# Altium PCB Pmod_Usb_Rcb_M2.PcbDoc
Units mm, origin at the board's own origin, x right, y up, seen from the top; angles counter-clockwise.
Board outline 70 x 31.75 mm, 2 copper layers (Top Layer, Bottom Layer), stack 1.529 mm thick; 35 components, 23 nets, 224 pads, 61 vias.
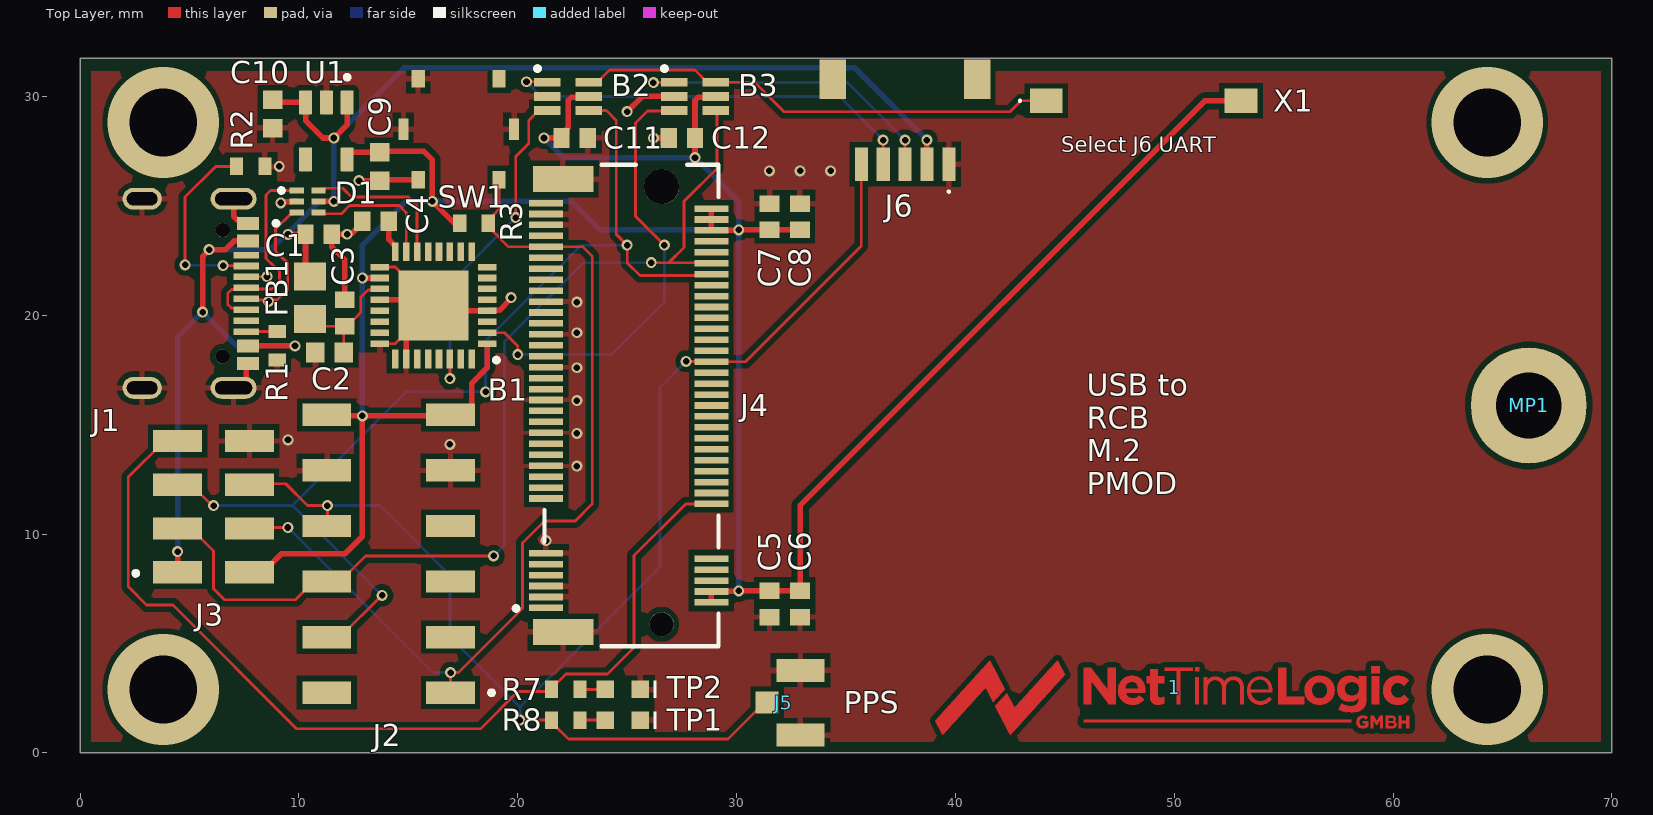
[diagram p0: Top Layer view]
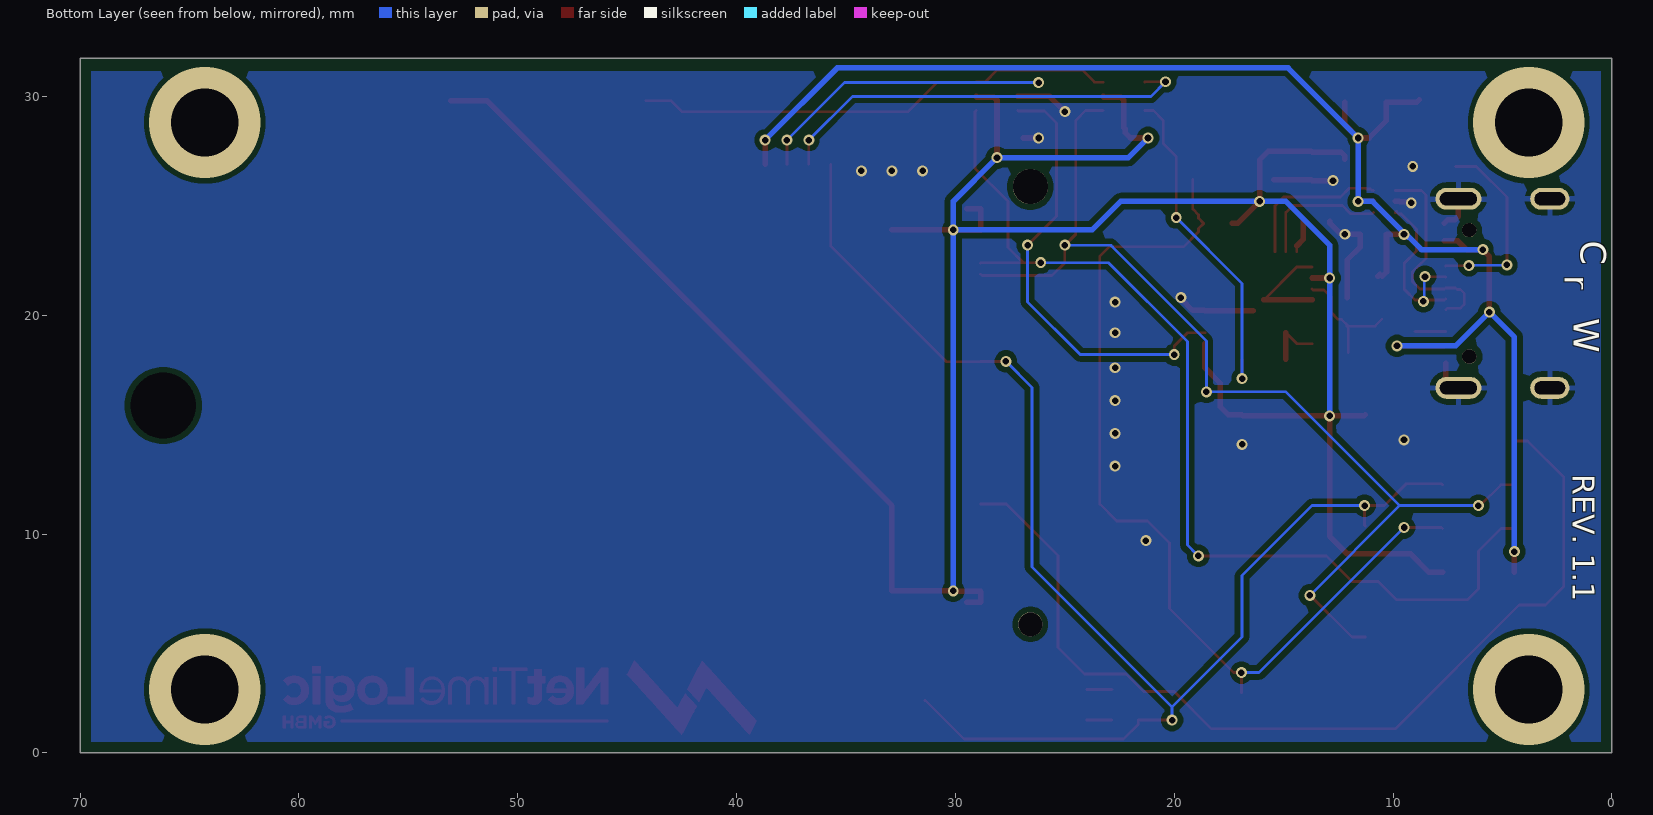
[diagram p1: Bottom Layer view, seen from below]
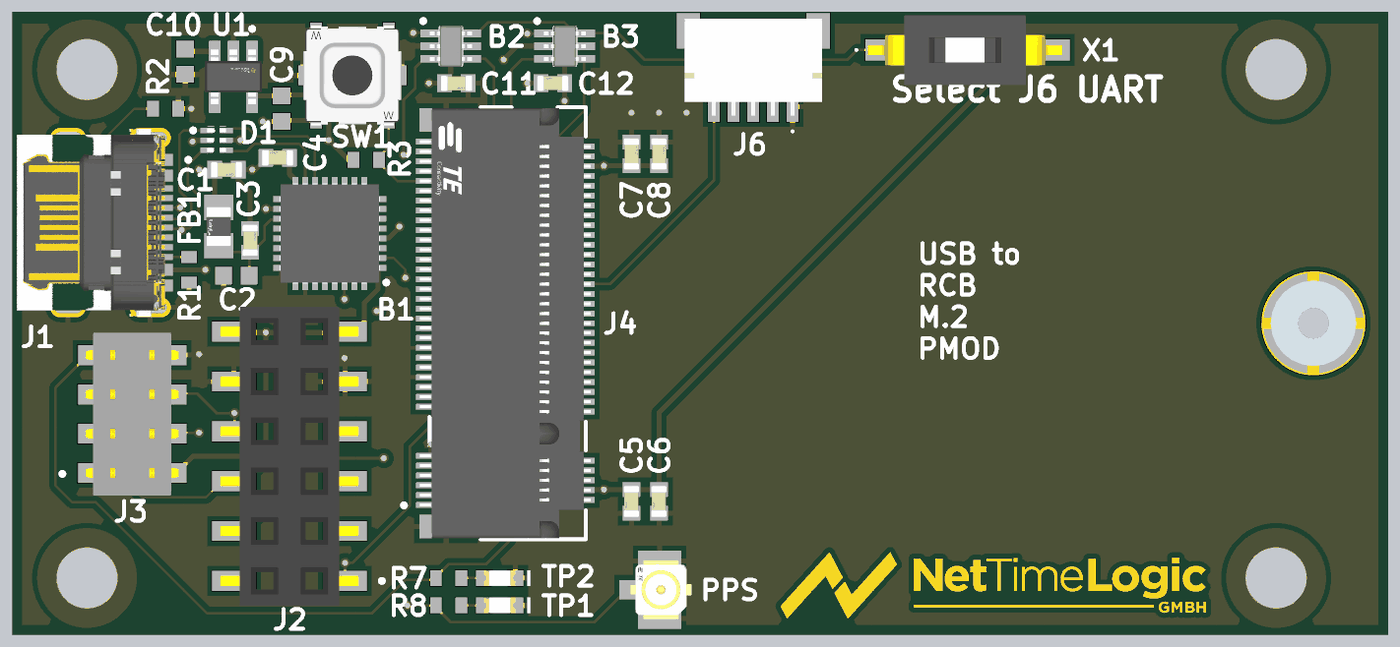
[diagram p2: 3D render of the assembled board from above, using the file's embedded part models]

## Layer stack, top to bottom
Top Solder: solder mask 0.0254, matt black, Dk 4
Top Layer: signal copper 0.035
Dielectric: core 1.4592, FR-4, Dk 4.2
Bottom Layer: signal copper 0.035
Bottom Solder: solder mask 0.0254, matt black, Dk 4

## Board outline
0,0 70,0 70,31.748 33.587,31.75 0,31.748

## Design rules (kind name [scope] priority, off if disabled: settings)
Clearance [All] p1: gap=0.254 ignorepadtopadclearanceinfootprint=FALSE except(0.127: SMDPad-SMDPad; 0.2: Arc-SMDPad Track-SMDPad; 0.333: Arc-THPad Track-THPad)
HoleSize [All] p1: absolutevalues=TRUE maxlimit=6.3 minlimit=0.2 maxpercent=80.000 minpercent=20.000
MinimumSolderMaskSliver [All] p1: minsoldermaskwidth=0.17
PlaneConnect [All] p1: planeconnectstyle=Relief reliefexpansion=0.254 reliefentries=4 reliefconductorwidth=0.127 reliefairgap=0.127
PolygonConnect [InNet('GND')] p1: thpad.connectstyle=Relief thpad.reliefconductorwidth=0.254 thpad.reliefentries=4 thpad.polygonreliefangle="90 Angle" thpad.airgapwidth=0.254 smdpad.connectstyle=Relief smdpad.reliefconductorwidth=0.254 smdpad.reliefentries=4 smdpad.polygonreliefangle="90 Angle" smdpad.airgapwidth=0.254 via.connectstyle=Direct via.reliefconductorwidth=0.254 via.reliefentries=4 via.polygonreliefangle="90 Angle" via.airgapwidth=0.254
RoomDefinition Power_and_USB [InComponentClass('Power_and_USB')] p1: confinementstyle=ConfineIn formatcopy=TRUE lockcomponents=FALSE outline 0,0 70,0 70,31.75 0,31.75
RoutingVias [All] p1: holewidth=0.3 width=0.5 viastyle="Through Hole" minholewidth=0.3 minwidth=0 maxholewidth=0.711 maxwidth=1.27
SilkToSilkClearance [All] p1: silktosilkclearance=0.15
SilkToSolderMaskClearance [IsPad] p1: minsilkscreentomaskgap=0.15 clearancetoexposedcopper=TRUE
SolderMaskExpansion SolderMaskExpansion_Via [IsVia] p1: expansion=0.102 istentingtop=TRUE
SolderMaskExpansion [All] p2: expansion=0.05 istentingtop=FALSE
SupplyNets "Schematic Supply Nets_2" [InNet('GND')] p1: voltage=0.000
SupplyNets "Schematic Supply Nets_1" [InNet('3V3')] p2: voltage=0.000
SupplyNets "Schematic Supply Nets" [InNet('5V')] p3: voltage=0.000
Width Power_3V3 [InNet('3V3')] p1: maxlimit=1 minlimit=0.127 preferedwidth=0.254 minimp=50.000000 maximp=50.000000 favimp=50.000000
Width Power_5V [InNet('5V')] p2: maxlimit=1 minlimit=0.127 preferedwidth=0.254 minimp=50.000000 maximp=50.000000 favimp=50.000000
Width GND [InNet('GND')] p3: maxlimit=1 minlimit=0.127 preferedwidth=0.254 minimp=50.000000 maximp=50.000000 favimp=50.000000
Width [All] p4: maxlimit=1 minlimit=0.127 preferedwidth=0.127
25 further rules are at their usual default settings.

## Classes and differential pairs
component class Connectors: C5 C6 C7 C8 J2 J3 J4 J6 X1
component class Mechanical: MP1 Screw1 Screw2 Screw3 Screw4 Screw5 Screw6 Screw7 Screw8 Screw9 Standoff1 Standoff2 Standoff3 Standoff4
component class Power_and_USB: 1 B1 B2 B3 C1 C2 C3 C4 C9 C10 C11 C12 D1 FB1 J1 J5 R1 R2 R3 R7 R8 S1 SW1 TP1 TP2 U1

## Components (designator, comment, footprint, x,y, rotation, side; value= is the part's Value field where it differs from the comment)
1 "NetTimeLogic_Logo" NetTimeLogic_Logo_25mm 50,3 r0 top
B1 "FT232RNQ-REEL" QFN50P500X500X90-33N-D 16.15,20.45 r180 top
B2 "74LVC1G3157GW-Q10H" SOT65P210X110-6N 22.3,30 r0 top
B3 "74LVC1G3157GW-Q10H" SOT65P210X110-6N 28.1,30 r0 top
C1 "C0603C103K5RACTU" FP-C0603C-CF-MFG 10.9,23.7 r180 top value=10nF
C2 "C0603C475M9PACTU" CAPC1608X90X35LL15T15 11.4,18.3 r0 top value=4.7uF
C3 "C0603C104K4RACTU" FP-C0603C-CF-MFG 12.1,20.1 r270 top value=100nF
C4 "C0603C104K4RACTU" FP-C0603C-CF-MFG 13.5,24.3 r0 top value=100nF
C5 "C0603C104K4RACTU" FP-C0603C-CF-MFG 31.5,6.8 r90 top value=100nF
C6 "C0603C104K4RACTU" FP-C0603C-CF-MFG 32.9,6.8 r90 top value=100nF
C7 "C0603C104K4RACTU" FP-C0603C-CF-MFG 31.5,24.5 r270 top value=100nF
C8 "C0603C104K4RACTU" FP-C0603C-CF-MFG 32.9,24.5 r270 top value=100nF
C9 "C0603C105K4RACTU" CAPC1608X90X35LL15T15 13.7,26.8 r90 top value=1uF
C10 "C0603C105K4RACTU" CAPC1608X90X35LL15T15 8.8,29.2 r90 top value=1uF
C11 "C0603C104K4RACTU" FP-C0603C-CF-MFG 22.6,28.1 r180 top value=100nF
C12 "C0603C104K4RACTU" FP-C0603C-CF-MFG 27.5,28.1 r0 top value=100nF
D1 "PRTR5V0U2F,115" FP-SOT886-MFG 10.4,25.2 r0 top
FB1 "MI0805K400R-10" FP-MI0805-MFG 10.5,20.8 r270 top
J1 "USB4105-GF-A" FP-USB4105-GF-A-MFG 4,21 r270 top
J2 "SSM-106-L-DV" SAMTEC_SSM-106-L-DV 14.1,9.1 r270 top
J3 "SQW-104-01-F-D-VS" SAMTEC-SQW-104-01-X-D-VS 6.1,11.25 r90 top
J4 "2199119-3" FP-2199119-3-MFG 25.2,15.875 r90 top
J5 "1909763-1" FP-1909763-1-MFG 33,2.3 r270 top
J6 "SM05B-SRSS-TB" SM05BSRSSTBLFSN 37.7,28.9 r180 top
MP1 "9774010243R" 9774010243 66.2,15.875 r0 top
R1 "RC0603FR-075K1L" RESC1608X55X25LL10T15 9,18.6 r90 top value=5.1kR
R2 "RC0603FR-075K1L" RESC1608X55X25LL10T15 7.8,26.8 r180 top value=5.1kR
R3 "RC0603FR-074K7L" RESC1608X55X25LL10T15 18,24.2 r0 top value=4.7kR
R7 "RC0603FR-07270RL" RESC1608X55X25LL10T15 22.2,2.9 r0 top value=270R
R8 "RC0603FR-07270RL" RESC1608X55X25LL10T15 22.2,1.5 r0 top value=270R
SW1 "431183015816" WS-TASV_L5W5H1.5_4311x30158x6 17.3,28.5 r90 top
TP1 "150060VS75003" WL-SMCW_0603_150060xx75003 24.8,1.5 r0 top
TP2 "150060VS75003" WL-SMCW_0603_150060xx75003 24.8,2.9 r0 top
U1 "TLV73333PQDBVRQ1" FP-DBV0005A-MFG 11.253,28.425 r270 top
X1 "DS04-254-2-01BK-SMT" DS04254201BKSMTTR 48.6,29.8 r270 top

## Footprints (in the part's own frame and the unit in brackets; to place one, negate y for a bottom-side part, rotate by r counter-clockwise, add the part's x,y. Pads: shape width x height; smd on the part's side, far side on the other; paste and mask are expansions set on the pad)
9774010243 [mm] "SMT Steel Spacer with internal Thread M2, height 1mm"
  round 5.3 / inner round 0 / far side round 0 hole 3 unplated: 1(0,0)
  body extent -2.17,-2.17 2.18,2.17, height 1
CAPC1608X90X35LL15T15 [mm] "Chip Capacitor, 2-Leads, Body 1.60x0.81mm, IPC High Density"
  rect 0.85x0.9 smd: 1(-0.65,0) 2(0.65,0)
  body extent -0.88,-0.48 0.87,0.48, height 0.9
DS04254201BKSMTTR [mm]
  rect 1.1x1.5 smd: 1(0,-4.45) 2(0,4.45)
  silkscreen extent -0.05,-5.7 0.05,-5.6, body extent -1.76,-5.07 1.78,4.83, height 3.98
FP-1909763-1-MFG [mm]
  rect 1x1.05 smd paste+0 mask+0: 1(0,-1.6)
  rect 1.05x2.2 smd paste+0 mask+0: 2(-1.475,-0.075) 3(1.475,-0.075)
  body extent -2.1,-2.22 2.1,1.6, height 0.25
FP-2199119-3-MFG [mm]
  rect 0.3x1.55 smd paste+0 mask+0: 1(-9.25,3.9) 2(-9,-3.65) 3(-8.75,3.9) 4(-8.5,-3.65) 5(-8.25,3.9) 6(-8,-3.65) 7(-7.75,3.9) 8(-7.5,-3.65) 9(-7.25,3.9) 10(-7,-3.65) 11(-6.75,3.9) 20(-4.5,-3.65) 21(-4.25,3.9) 22(-4,-3.65) 23(-3.75,3.9) 24(-3.5,-3.65) 25(-3.25,3.9) 26(-3,-3.65) 27(-2.75,3.9) 28(-2.5,-3.65) 29(-2.25,3.9) 30(-2,-3.65) 31(-1.75,3.9) 32(-1.5,-3.65) 33(-1.25,3.9) 34(-1,-3.65) 35(-0.75,3.9) 36(-0.5,-3.65) 37(-0.25,3.9) 38(0,-3.65) 39(0.25,3.9) 40(0.5,-3.65) 41(0.75,3.9) 42(1,-3.65) 43(1.25,3.9) 44(1.5,-3.65) 45(1.75,3.9) 46(2,-3.65) 47(2.25,3.9) 48(2.5,-3.65) 49(2.75,3.9) 50(3,-3.65) 51(3.25,3.9) 52(3.5,-3.65) 53(3.75,3.9) 54(4,-3.65) 55(4.25,3.9) 56(4.5,-3.65) 57(4.75,3.9) 58(5,-3.65) 59(5.25,3.9) 60(5.5,-3.65) 61(5.75,3.9) 62(6,-3.65) 63(6.25,3.9) 64(6.5,-3.65) 65(6.75,3.9) 66(7,-3.65) 67(7.25,3.9) 68(7.5,-3.65) 69(7.75,3.9) 70(8,-3.65) 71(8.25,3.9) 72(8.5,-3.65) 73(8.75,3.9) 74(9,-3.65) 75(9.25,3.9)
  rect 1.2x2.75 smd paste+0 mask+0: 76(-10.35,3.125) 77(10.35,3.125)
  round 1.6 hole 1.6 unplated paste-2539.97 mask+0: MH1(10,-1.375)
  round 1.1 hole 1.1 unplated paste-2539.97 mask+0: MH2(-10,-1.375)
  silkscreen extent -11,-3.98 11,5.37, body extent -11.1,-4.52 11.1,4.77, height 0.25
FP-C0603C-CF-MFG [mm]
  rect 0.75x0.9 smd paste+0 mask+0: 1(-0.6,0) 2(0.6,0)
  body extent -1.2,-0.6 1.2,0.6, height 0.25
FP-DBV0005A-MFG [mm]
  rrect17% 1.1x0.6 smd paste+0 mask+0: 1(-1.3,0.95) 2(-1.3,0) 3(-1.3,-0.95) 4(1.3,-0.95) 5(1.3,0.95)
  silkscreen extent -2.55,0.85 -2.35,1.05, body extent -1.95,-1.78 1.95,1.78, height 0.25
FP-MI0805-MFG [mm]
  rect 1.285x1.47 smd paste+0 mask+0: 1(-0.972,0) 2(0.972,0)
  body extent -1.72,-0.83 1.72,0.83, height 0.25
FP-SOT886-MFG [mm]
  rect 0.65x0.27 smd paste+0 mask+0: 1(-0.5,0.5) 2(-0.5,0) 3(-0.5,-0.5) 4(0.5,-0.5) 5(0.5,0) 6(0.5,0.5)
  silkscreen extent -1.3,0.4 -1.1,0.6, body extent -0.63,-0.85 0.63,0.85, height 0.25
FP-USB4105-GF-A-MFG [mm]
  rrect100% 1x2.1 hole 1.7 slot 0.6 at 0 deg paste-2539.97 mask+0: 1(-4.32,3.015) 2(4.32,3.015)
  rrect100% 1x1.8 hole 1.4 slot 0.6 at 0 deg paste-2539.97 mask+0: 3(-4.32,-1.165) 4(4.32,-1.165)
  rect 0.6x1 smd paste+0 mask+0: A1-B12(-3.2,3.665) A4-B9(-2.4,3.665) B1-A12(3.2,3.665) B4-A9(2.4,3.665)
  rect 0.3x1.15 smd paste+0 mask+0: A5(-1.25,3.59) A6(-0.25,3.59) A7(0.25,3.59) A8(1.25,3.59) B5(1.75,3.59) B6(0.75,3.59) B7(-0.75,3.59) B8(-1.75,3.59)
  round 0.65 hole 0.65 unplated paste-2539.97 mask+0: MH1(-2.89,2.515) MH2(2.89,2.515)
  silkscreen extent -3.3,4.85 -3.1,5.05, body extent -4.96,-3.94 4.96,4.27, height 0.25
NetTimeLogic_Logo_25mm [mm]
  Top Layer region: 0.984,0.914 1.132,0.914 1.132,0.719 0.953,0.719 0.953,0.914 0.977,0.914
  Top Layer region: 10.259,-1.708 10.259,-1.304 10.384,-1.304 10.384,-1.529 10.609,-1.529 10.609,-1.304 10.734,-1.304 10.734,-1.872 10.609,-1.872 10.609,-1.638 10.384,-1.638 10.384,-1.872 10.259,-1.872 10.259,-1.716
  Top Layer region: 1,-0.767 0.969,-0.767 0.969,0.455 1.124,0.455 1.124,-0.767 1.008,-0.767
  Top Layer region: 471 vertices and 1 holes, not listed, extent 3.334,-0.798 4.478,0.478
  Top Layer region: -0.541,-0.463 -0.517,-0.463 -0.517,-0.456 -0.494,-0.456 -0.494,-0.448 -0.479,-0.448 -0.479,-0.44 -0.463,-0.44 -0.463,-0.432 -0.447,-0.432 -0.447,-0.712 -0.455,-0.712 -0.455,-0.72 -0.463,-0.72 -0.463,-0.728 -0.479,-0.728 -0.479,-0.736 -0.494,-0.736 -0.494,-0.744 -0.51,-0.744 -0.51,-0.751 -0.533,-0.751 -0.533,-0.759 -0.556,-0.759 -0.556,-0.767 -0.58,-0.767 -0.58,-0.775 -0.611,-0.775 -0.611,-0.782 -0.65,-0.782 -0.65,-0.79 -0.813,-0.79 -0.813,-0.782 -0.852,-0.782 -0.852,-0.775 -0.891,-0.775 -0.891,-0.767 -0.914,-0.767 -0.914,-0.759 -0.93,-0.759 -0.93,-0.751 -0.945,-0.751 -0.945,-0.744 -0.961,-0.744 -0.961,-0.736 -0.969,-0.736 -0.969,-0.728 -0.984,-0.728 -0.984,-0.72 -0.992,-0.72 -0.992,-0.712 -1,-0.712 -1,-0.705 -1.008,-0.705 -1.008,-0.697 -1.015,-0.697 -1.015,-0.689 -1.023,-0.689 -1.023,-0.681 -1.031,-0.681 -1.031,-0.666 -1.039,-0.666 -1.039,-0.658 -1.047,-0.658 -1.047,-0.642 -1.054,-0.642 -1.054,-0.627 -1.062,-0.627 -1.062,-0.611 -1.07,-0.611 -1.07,-0.596 -1.078,-0.596 -1.078,-0.572 -1.085,-0.572 -1.085,-0.541 -1.093,-0.541 -1.093,-0.487 -1.101,-0.487 -1.101,0.19 -1.257,0.19 -1.257,0.494 -1.101,0.494 -1.101,0.82 -0.743,0.82 -0.743,0.494 -0.447,0.494 -0.447,0.19 -0.743,0.19 -0.743,-0.393 -0.735,-0.393 -0.735,-0.417 -0.728,-0.417 -0.728,-0.432 -0.72,-0.432 -0.72,-0.448 -0.704,-0.448 -0.704,-0.456 -0.696,-0.456 -0.696,-0.463 -0.681,-0.463 -0.681,-0.471 -0.642,-0.471 -0.642,-0.479 -0.611,-0.479 -0.611,-0.471 -0.549,-0.471 -0.549,-0.463
  Top Layer region: 461 vertices and 1 holes, not listed, extent -2.564,-0.798 -1.327,0.517
  Top Layer region: 163 vertices and 0 holes, not listed, extent 8.975,-1.872 9.535,-1.304
  Top Layer region: 9.014,0.322 9.014,0.494 9.372,0.494 9.372,-0.767 9.014,-0.767 9.014,0.315
  Top Layer region: 497 vertices and 1 holes, not listed, extent 7.458,-1.156 8.781,0.517
  Top Layer region: 435 vertices and 0 holes, not listed, extent 1.358,-0.767 3.178,0.478
  Top Layer region: 1640 vertices and 0 holes, not listed, extent -8.182,-2.175 -4.991,1.217
  Top Layer region: 9.963,-1.312 10.01,-1.312 10.01,-1.319 10.033,-1.319 10.033,-1.327 10.049,-1.327 10.049,-1.335 10.065,-1.335 10.065,-1.343 10.072,-1.343 10.072,-1.35 10.08,-1.35 10.08,-1.358 10.088,-1.358 10.088,-1.366 10.096,-1.366 10.096,-1.374 10.103,-1.374 10.103,-1.389 10.111,-1.389 10.111,-1.405 10.119,-1.405 10.119,-1.436 10.127,-1.436 10.127,-1.467 10.119,-1.467 10.119,-1.498 10.111,-1.498 10.111,-1.514 10.103,-1.514 10.103,-1.529 10.096,-1.529 10.096,-1.537 10.088,-1.537 10.088,-1.545 10.08,-1.545 10.08,-1.553 10.072,-1.553 10.072,-1.561 10.057,-1.561 10.057,-1.568 10.049,-1.568 10.049,-1.576 10.057,-1.576 10.057,-1.584 10.072,-1.584 10.072,-1.592 10.088,-1.592 10.088,-1.599 10.103,-1.599 10.103,-1.607 10.111,-1.607 10.111,-1.615 10.119,-1.615 10.119,-1.623 10.127,-1.623 10.127,-1.631 10.135,-1.631 10.135,-1.646 10.142,-1.646 10.142,-1.662 10.15,-1.662 10.15,-1.693 10.158,-1.693 10.158,-1.732 10.15,-1.732 10.15,-1.763 10.142,-1.763 10.142,-1.786 10.135,-1.786 10.135,-1.794 10.127,-1.794 10.127,-1.81 10.119,-1.81 10.119,-1.817 10.111,-1.817 10.111,-1.825 10.096,-1.825 10.096,-1.833 10.088,-1.833 10.088,-1.841 10.072,-1.841 10.072,-1.848 10.049,-1.848 10.049,-1.856 10.026,-1.856 10.026,-1.864 9.971,-1.864 9.971,-1.872 9.676,-1.872 9.676,-1.848 9.676,-1.841 9.676,-1.304 9.963,-1.304 hole: 9.995,-1.638 9.8,-1.638 9.8,-1.747 9.8,-1.755 9.8,-1.763 9.995,-1.763 9.995,-1.755 10.01,-1.755 10.01,-1.747 10.026,-1.747 10.026,-1.732 10.033,-1.732 10.033,-1.669 10.026,-1.669 10.026,-1.662 10.018,-1.662 10.018,-1.654 10.01,-1.654 10.01,-1.646 9.995,-1.646 hole: 9.971,-1.413 9.8,-1.413 9.8,-1.529 9.963,-1.529 9.963,-1.522 9.979,-1.522 9.979,-1.514 9.995,-1.514 9.995,-1.498 10.002,-1.498 10.002,-1.436 9.995,-1.436 9.995,-1.428 9.987,-1.428 9.987,-1.42 9.971,-1.42
  Top Layer region: 222 vertices and 0 holes, not listed, extent 8.322,-1.88 8.859,-1.296
  Top Layer region: 1629 vertices and 0 holes, not listed, extent -10.913,-2.167 -7.746,1.209
  Top Layer region: -1.327,-1.607 -4.143,-1.607 -4.143,-1.475 8.088,-1.475 8.088,-1.607 -1.319,-1.607
  Top Layer region: 9.38,0.665 9.38,0.634 9.006,0.634 9.006,0.953 9.38,0.953 9.38,0.673
  Top Layer region: 399 vertices and 1 holes, not listed, extent 5.956,-0.798 7.326,0.517
  Top Layer region: 5.116,-0.432 5.116,-0.44 5.933,-0.44 5.933,-0.448 5.941,-0.448 5.941,-0.767 4.75,-0.767 4.75,0.883 5.116,0.883 5.116,-0.425
  Top Layer region: 413 vertices and 0 holes, not listed, extent -4.143,-0.767 -2.673,0.883
  Top Layer region: 582 vertices and 0 holes, not listed, extent 9.543,-0.798 10.718,0.517
  Top Layer region: -0.416,0.743 -0.44,0.743 -0.44,0.89 0.844,0.89 0.844,0.743 0.284,0.743 0.284,-0.767 0.121,-0.767 0.121,0.743 -0.408,0.743
QFN50P500X500X90-33N-D [mm]
  rect 0.85x0.3 smd mask+0: 1(-2.45,1.75) 2(-2.45,1.25) 3(-2.45,0.75) 4(-2.45,0.25) 5(-2.45,-0.25) 6(-2.45,-0.75) 7(-2.45,-1.25) 8(-2.45,-1.75) 17(2.45,-1.75) 18(2.45,-1.25) 19(2.45,-0.75) 20(2.45,-0.25) 21(2.45,0.25) 22(2.45,0.75) 23(2.45,1.25) 24(2.45,1.75)
  rect 0.3x0.85 smd mask+0: 9(-1.75,-2.45) 10(-1.25,-2.45) 11(-0.75,-2.45) 12(-0.25,-2.45) 13(0.25,-2.45) 14(0.75,-2.45) 15(1.25,-2.45) 16(1.75,-2.45) 25(1.75,2.45) 26(1.25,2.45) 27(0.75,2.45) 28(0.25,2.45) 29(-0.25,2.45) 30(-0.75,2.45) 31(-1.25,2.45) 32(-1.75,2.45)
  rect 3.2x3.2 smd: 33(0,0)
  silkscreen extent -2.98,2.4 -2.78,2.6, body extent -2.55,-2.55 2.55,2.55, height 0.9
RESC1608X55X25LL10T15 [mm] "Chip Resistor, 2-Leads, Body 1.60x0.80mm, IPC High Density"
  rect 0.6x0.8 smd: 1(-0.65,0) 2(0.65,0)
  body extent -0.85,-0.45 0.85,0.45, height 0.55
SAMTEC-SQW-104-01-X-D-VS [mm]
  rect 1.016x2.24 smd mask+0: 1(-3,1.638) 2(-3,-1.638) 3(-1,1.638) 4(-1,-1.638) 5(1,1.638) 6(1,-1.638) 7(3,1.638) 8(3,-1.638)
  silkscreen extent -3.15,3.46 -2.95,3.66, body extent -4.15,-2.37 4.15,2.37, height 7.6
SAMTEC_SSM-106-L-DV [mm]
  rect 1.02x2.22 smd: 01(6.35,2.825) 02(3.81,2.825) 03(1.27,2.825) 04(-1.27,2.825) 05(-3.81,2.825) 06(-6.35,2.825) 07(6.35,-2.825) 08(3.81,-2.825) 09(1.27,-2.825) 10(-1.27,-2.825) 11(-3.81,-2.825) 12(-6.35,-2.825)
  silkscreen extent 6.25,4.6 6.45,4.8, body extent -7.62,-3.52 7.62,3.52, height 7.42
SM05BSRSSTBLFSN [mm]
  rect 0.6x1.55 smd: 1(-2,2) 2(-1,2) 3(0,2) 4(1,2) 5(2,2)
  rect 1.2x1.8 smd: 6(-3.3,-1.875) 7(3.3,-1.875)
  silkscreen extent -2.05,3.2 -1.95,3.3, body extent -3.5,-2.5 3.5,2.45, height 2.95
SOT65P210X110-6N [mm]
  rect 1.2x0.4 smd paste+0 mask+0: 1(-0.95,0.65) 2(-0.95,0) 3(-0.95,-0.65) 4(0.95,-0.65) 5(0.95,0) 6(0.95,0.65)
  silkscreen extent -1.5,1.17 -1.3,1.37, body extent -1.06,-1.07 1.08,1.03, height 0.94
WL-SMCW_0603_150060xx75003 [mm] "SMD Mono-color Chip LED, body 1.6x0.8mm"
  rect 0.8x0.8 smd: 1(-0.8,0) 2(0.8,0)
  silkscreen extent 1.4,-0.4 1.55,0.4, body extent -0.8,-0.4 0.8,0.4, height 0.7
WS-TASV_L5W5H1.5_4311x30158x6 [mm] "Tact Switch, SMD, body 5x5mm"
  rect 0.8x0.6 smd: A1(-2.3,-1.85) A2(2.3,-1.85) B1(-2.3,1.85) B2(2.3,1.85)
  rect 1x0.45 smd: G1(0,-2.525) G2(0,2.525)
  body extent -2.55,-2.5 2.55,2.5, height 1.5

## Part data
1: library part CMP-00016-12, "NetTimeLogic Cooper Logos 15mm,  25mm, 35mm, 50 mm"
B1: library part CMP-183-000000-5, "UART Interface IC USB Full Speed to Serial UART IC, Includes Oscillator and EEPROM, QFN-32", Manufacturer_Name="FTDI Chip", Mouser Part Number=895-FT232RNQ-REEL, Datasheet Link=https://www.mouser.de/datasheet/2/163/DS_FT232RN-3011324.pdf, Design Item ID=FT232RNQ-REEL, Geometry.Height=0.9mm, Manufacturer_Part_Number=FT232RNQ-REEL, Mouser Price/Stock=https://www.mouser.co.uk/ProductDetail/FTDI/FT232RNQ-REEL?qs=By6Nw2ByBD2sZBqAeYrE8Q%3D%3D, Source=FT232RNQ-REEL.SchLib
B2 B3: library part CMP-193-000000-4, "74LVC1G3157-Q100 - 2-channel analog multiplexer/demultiplexer@en-us", Manufacturer_Name=Nexperia, Mouser Part Number=771-74LVC1G3157GWQ10, Datasheet Link=https://assets.nexperia.com/documents/data-sheet/74LVC1G3157_Q100.pdf, Design Item ID=74LVC1G3157GW-Q10H, Geometry.Height=1.1mm, Manufacturer_Part_Number=74LVC1G3157GW-Q10H, Mouser Price/Stock=https://www.mouser.co.uk/ProductDetail/Nexperia/74LVC1G3157GW-Q10H?qs=5XOdhvmYM0OEi4hrMRn80A%3D%3D, Source=74LVC1G3157GW-Q10H.SchLib
C1: library part CMP-00068-12, "CAP CER 10000PF 50V X7R 0603", Case Code (Imperial)=0603, Case Code (Metric)=1608, Dielectric=X7R, Max Operating Temperature=125°C, Min Operating Temperature=-55°C, Package Quantity=4000, Tolerance=10%, Voltage=50V, Case/Package=0603, Construction=Flat, Depth=0.8mm, Dissipation Factor=2.5%, Height=0.8mm, Lead Pitch=0.7mm, Length=1.6mm, Mounting Technology="PCB,Surface Mount", Packaging="Tape and Reel", Pins=2, Radiation Hardening=No, Reach SVHC Compliant=No, RoHS Compliant=Yes, Series=C0603C, Termination=SMD/SMT, Voltage Rating=50V, Voltage Rating (DC)=50V, Width=0.8mm
C2: library part CMP-00091-2, "Cap Ceramic 4.7uF 6.3V X5R 20% SMD 0603 85C Paper T/R", Case Code (Imperial)=0603, Case Code (Metric)=1608, Dielectric=X5R, Dielectric Material=Ceramic, Max Operating Temperature=85°C, Min Operating Temperature=-55°C, Package Quantity=4000, Tolerance=20%, Voltage Rating=6.3V, Case/Package=0603, Construction=Flat, Depth=0.8mm, Dissipation Factor=5%, Height=0.8mm, Lead Free="Lead Free", Lead Pitch=0.7mm, Length=1.6mm, Mounting Technology="Surface Mount", Packaging="Tape and Reel", Radiation Hardening=No, Reach SVHC Compliant=No, RoHS Compliant=Yes, Series="SMD Comm X5R", Termination=SMD/SMT, Thickness=0.034inch, Voltage Rating (DC)=6.3V, Width=0.8mm
C3 C4 C5 C6 C7 C8 C11 C12: library part CMP-00009-15, "Cap Ceramic 0.1uF 16V X7R 10% SMD 0603 125°C Paper T/R", Case Code (Imperial)=0603, Case Code (Metric)=1608, Dielectric=X7R, Dielectric Material=Ceramic, Max Operating Temperature=125°C, Min Operating Temperature=-55°C, Package Quantity=4000, Tolerance=10%, Voltage=16V, Case/Package=0603, Construction=Flat, Contact Plating=Tin,Matte, Depth=0.8mm, Dissipation Factor=3.5%, Height=0.8mm, Lead Pitch=0.7mm, Length=1.6mm, Mounting Technology="Surface Mount,PCB", Packaging="Tape and Reel", Pins=2, Radiation Hardening=No, Reach SVHC Compliant=Yes, Series="SMD Comm X7R", Termination=SMD/SMT, Thickness=0.034inch, Voltage Rating=16V, Voltage Rating (DC)=16V, Weight=7.1E-05oz, Width=0.8mm
C9 C10: library part CMP-00012-8, "Cap Ceramic 1uF 16V X7R 10% SMD 0603 125°C Paper T/R", Case Code (Imperial)=0603, Case Code (Metric)=1608, Dielectric=X7R, Dielectric Material=Ceramic, Max Operating Temperature=125°C, Min Operating Temperature=-55°C, Package Quantity=4000, Tolerance=10%, Voltage=16V, Case/Package=0603, Construction=Flat, Contact Plating=Tin,Matte, Depth=0.8mm, Dissipation Factor=3.5%, Height=0.8mm, Length=1.6mm, Mounting Technology="Surface Mount,PCB", Packaging="Tape and Reel", Pins=2, Radiation Hardening=No, Reach SVHC Compliant=Yes, RoHS Compliant=Yes, Series="SMD Comm X7R", Termination=SMD/SMT, Thickness=0.034inch, Voltage Rating=16V, Voltage Rating (DC)=16V, Width=0.8mm
D1: library part CMP-00051-7, "TVS DIODE 5.5VWM SOT886", RoHS Compliant=Yes
FB1: library part CMP-00154-2, "Ferrite Chip, 1 Function(s), 1.5A, 2 Pin(s)", Current Rating=1.5A, DC Resistance-Max=50mR, Manufacturer Series=MI0805K400R, Max Operating Temperature=125°C, Min Operating Temperature=-55°C, Channels=1, Filter Type="FERRITE CHIP", Height=0.9mm, JESD-609 Code=e3, Length=2mm, Mounting Technology="Surface Mount", Output Impedance=40R, Packaging="Tape and Reel", RoHS Compliant=Yes, Terminal Finish=Tin, Width=1.25mm
J1: library part CMP-002-00010-4, "Conn USB 2.0 Type C RCP 24 POS 0.3mm/0.5mm Solder RA SMD 24 Terminal 1 Port T/R"
J2: library part CMP-020-000000-6, "Header Surface Mount (2.54mm) 2x6", Package=None, Availability=Unavailable, Component Type=Standard, Design Item ID=SSM-106-L-DV, MF=Samtec, MP=SSM-106-L-DV, Pin Count=12, Price=None, Source=SSM-106-L-DV.SchLib
J3: library part CMP-199-000000-4, "Headers & Wire Housings Cost Effective Rugged PCB Sockets, 2.00mm pitch", Package=None, Availability=Unavailable, Component Type=Standard, Design Item ID=SAMTEC-SQW-104-01-X-D-VS, MP=SAMTEC-SQW-104-01-X-D-VS, Pin Count=8, Price=None, Source=SAMTEC-SQW-104-01-X-D-VS.SchLib
J4: library part CMP-002-00009-1, "Conn Card Edge SKT 67 POS 0.5mm Solder RA SMD Embossed T/R"
J5: library part CMP-002-00011-2, "RF COAX Connector, UMCC PLUG, 50 OHM, PCB; Co; Connector Type: UMCC Coaxial; Body Style: Straight"
J6: library part CMP-244-000000-2, "Board Connector, 5 Contact(s), 1 Row(s), Male, Right Angle, Surface Mount Terminal", Color=Natural, Contact Resistance=40mR, Current Rating=1A, Flammability Rating="UL94 V-0", Insulation Resistance=100MR, Manufacturer_Name="JST (JAPAN SOLDERLESS TERMINALS)", Manufacturer_Part_Number=SM05B-SRSS-TB(LF)(SN), Max Operating Temperature=85°C, Max Voltage Rating (AC)=50V, Min Operating Temperature=-25°C, Package Quantity=1, Connector Type=Header, Contact Finish - Mating=TIN, Contact Material="Copper Alloy", Contact Plating=Tin,Lead, Contact Shape=Square, Contact Type="Male Pin", Datasheet Link=http://www.jst-mfg.com/product/pdf/eng/eSH.pdf, Depth=4.95mm, Design Item ID=SM05B-SRSS-TB_LF__SN_, Fastening Type=Pull, Gender=Male, Geometry.Height=2.95mm, Housing Color=Natural, Housing Material=Nylon, Insulation Color=Natural, Insulation Material=Nylon, Lead Free="Contains Lead", Lead Pitch=1mm, Length=7mm, Material=Polyamide, Max Current Rating=1A, Max Voltage Rating (DC)=50V, Mounting Technology="Surface Mount", Number of Contacts=5, Number of Positions=5, Number of Rows=1, Orientation="Right Angle", Packaging="Cut Tape", Pitch=0.039inch, Reach SVHC Compliant=No, Series=SR, Source=SM05B-SRSS-TB_LF__SN_.SchLib, Termination=Solder, Voltage Rating=50V, Voltage Rating (AC)=50V
MP1: library part CMP-082-000049-2, "WA-SMSI SMT Steel Spacer with internal Thread, OD 4.35mm, M2 x 1mm", Manufacturer="Wurth Elektronik", Operating Temperature Max=150°C, Operating Temperature Min=-55°C, CATEGORY="SMT Spacers", Component Type=Standard, ComponentLink1Description="Website Link", ComponentLink1URL=https://www.we-online.com/redexpert/article/9774010243R?ad, ComponentLink2Description="Datasheet Link", ComponentLink2URL=https://www.we-online.com/redexpert/spec/9774010243R?ad, Design Item ID=9774010243R, Height=1mm, Inside Diameter=2.8mm, Manufacturer Part Number=9774010243R, Match Code=WA-SMSI, Material=Steel, Mount="Surface Mount", Outside Diameter=4.35mm, Packaging="Tape and Reel", Pin Count=1, Source=WA-SMSI.SchLib, Surface=Tin, Thread Size=M2
R1 R2: library part CMP-009-00031-1, "SMD Chip Resistor, 5.1 kOhm, ± 1%, 100 mW, 0603 [1608 Metric], Thick Film, General Purpose", Case Code (Imperial)=0603, Case Code (Metric)=1608, Max Operating Temperature=155°C, Max Power Dissipation=100mW, Min Operating Temperature=-55°C, Package Quantity=1, Resistance Tolerance=1%, Resistor Type="Thick Film", Temperature Coefficient=100ppm/°C, Voltage Rating=50V, Case/Package=0603, Construction=Rectangular, Depth=0.8mm, Features="Moisture Resistant", Height=0.022inch, Lead Free="Lead Free", Lead Pitch=0.3mm, Length=0.063inch, Military Standard=Not, Number of Terminations=2, Packaging="Tape and Reel", Pins=2, Power Rating=100mW, Reach SVHC Compliant=No, RoHS Compliant=Yes, Series=RC, Termination=SMD/SMT, Tolerance=1%, Voltage Rating (DC)=50V, Width=0.031inch
R3: library part CMP-00024-6, "Res Thick Film 0603 4.7K Ohm 1% 1/10W ±100ppm/°C Molded SMD Paper T/R", Case Code (Imperial)=0603, Case Code (Metric)=1608, Max Operating Temperature=155°C, Max Power Dissipation=100mW, Min Operating Temperature=-55°C, Resistance Tolerance=1%, Resistor Type="Thick Film", Temperature Coefficient=100ppm/°C, Voltage Rating=50V, Case/Package=0603, Construction=Rectangular, Depth=0.8mm, Features="Moisture Resistant", Height=0.45mm, Lead Free="Lead Free", Lead Pitch=0.3mm, Length=1.6mm, Military Standard=Not, Number of Terminations=2, Packaging="Tape and Reel", Pins=2, Power Rating=100mW, RoHS Compliant=Yes, Series=RC, Termination=SMD/SMT, Tolerance=1%, Voltage Rating (DC)=50V, Width=0.8mm
R7 R8: library part CMP-009-00018-6, "SMD Chip Resistor, 270 Ohm, ± 1%, 100 mW, 0603 [1608 Metric], Thick Film, General Purpose", Case Code (Imperial)=0603, Case Code (Metric)=1608, Max Operating Temperature=155°C, Max Power Dissipation=100mW, Min Operating Temperature=-55°C, Package Quantity=5000, Resistance Tolerance=1%, Resistor Type="Thick Film", Temperature Coefficient=100ppm/°C, Voltage Rating=50V, Case/Package=0603, Construction=Rectangular, Depth=0.8mm, Features="Moisture Resistant", Height=0.022inch, Lead Free="Lead Free", Lead Pitch=0.3mm, Length=0.063inch, Military Standard=Not, Number of Terminations=2, Packaging="Tape and Reel", Pins=2, Power Rating=100mW, Reach SVHC Compliant=Unknown, RoHS Compliant=Yes, Series=RC, Technology="THICK FILM", Termination=SMD/SMT, Tolerance=1%, Voltage Rating (DC)=50V, Weight=7.1E-05oz, Width=0.031inch
SW1: library part CMP-00161-1, "Switch Tactile Spst-no 0.02A 15V", Contact Current Rating=20mA, Contact Resistance=100mR, Current Rating=50mA, Insulation Resistance=100MR, Max Operating Temperature=85°C, Min Operating Temperature=-40°C, Operating Force=160gf, Actuator Length=0.3mm, Actuator Material="Polymer,Liquid Crystal Polymer", Actuator Type=Standard, Contact Material="Stainless Steel,Steel", Contact Type="1 maker", Height=1.5mm, Illumination Type=Non-Illuminated,Illuminated, Length=5mm, Mechanical Life=1000000Cycles, Mounting Technology="Surface Mount", Packaging="Cut Tape", Reach SVHC Compliant=No, RoHS Compliant=Yes, Series=WS-TASV, Switch Function=Off-Mom, Switch Travel=0.25mm, Termination=Solder, Throw Configuration=SPST, Width=5mm
TP1 TP2: library part CMP-00137-8, "Led, Bright Green, 100Mcd, 572Nm Rohs Compliant: Yes", Case Code (Imperial)=0603, Case Code (Metric)=1608, Color=Green, Forward Current=20mA, Forward Voltage=2V, Max Operating Temperature=100°C, Min Operating Temperature=-40°C, Case/Package=0603, Component Type=LED, Height=0.7mm, Mounting Technology="Surface Mount", Pins=2
U1: library part CMP-181-000003-1, "Automotive 300-mA, low-IQ, low-dropout voltage regulator with enable 5-SOT-23 -40 to 125"
X1: library part CMP-247-000000-2, "Switch DIP OFF ON SPST 1 Flat Slide 0.025A 24VDC Gull Wing 2.54mm SMD Tube", Manufacturer_Name="Same Sky", Manufacturer_Part_Number=DS04-254-2-01BK-SMT-TR, Max Operating Temperature=85°C, Min Operating Temperature=-40°C, Mouser Part Number=490-DS04254201BK-STR, Switching Current=25mA, Switching Voltage=24V, Actuator Type="Slide (Standard)", Body Material=PBT,Polybutylene, Contact Material="Copper Alloy", Contact Plating=Gold, Datasheet Link=https://www.cuidevices.com/product/resource/supplyframepdf/ds04-254-smt.pdf, Design Item ID=DS04-254-2-01BK-SMT-TR, Electrical Life=2000Cycles, Geometry.Height=4.3mm, Height=3.66mm, Length=3.54mm, Mounting Technology="Surface Mount", Mouser Price/Stock=https://www.mouser.co.uk/ProductDetail/CUI-Devices/DS04-254-2-01BK-SMT-TR?qs=wnTfsH77Xs4xXRFXKF0ssg%3D%3D, Number of Positions=1, Pitch=2.54mm, Series=DS04-254-SMT, Source=DS04-254-2-01BK-SMT-TR.SchLib, Termination="Gull Wing", Throw Configuration=SPST, Voltage Rating (DC)=24V, Washable=No, Width=6.2mm

## Via types
v1: diameter 0.5, hole 0.3, Top Layer to Bottom Layer, tented both sides, 57 vias
v2: diameter 5.08, hole 3.099, Top Layer to Bottom Layer, 4 vias

## Nets (pads, with @x,y where several pads share a name; then routed paths per layer and width w, separated by ;. In a path a pad name is that pad's centre, name@x,y a point inside that pad or via, vN(x,y) a via of type N, cw(c..) or ccw(c..) an arc to the next point about the centre after c; other vN are vias at no path point)
3V3: B1.1 B1.18 B2.5 B3.5 C5.2 C6.2 C7.2 C8.2 C9.2 C11.2 C12.2 J2.06 J2.12 J3.2 J4.2 J4.4 J4.70 J4.72 J4.74 R3.1 U1.5 X1.2 | length 134.2
  Top Layer w0.254: J3.2 8.35,8.25 9.2,9.1 12.1,9.1 12.9,9.9 v1(12.9,15.4) ; J2.12 11.325,15.4 v1(12.9,15.4) ; U1.5 12.203,27.277 12.376,27.45 C9.2 13.75,27.5 15.7,27.5 16.1,27.1 v1(16.1,25.2) 17.1,24.2 R3.1 ; v1(12.9,21.7) B1.18 ; B1.1 18.6,17.601 17.9,16.901 17.9,15.825 17.525,15.45 J2.06 16.875,15.4 v1(12.9,15.4) ; v1(21.2,28.1) C11.2 22.248,28.348 22.248,28.52 22.3,28.572 22.3,29.822 22.449,29.97 23.22,29.97 B2.5 ; v1(28.1,27.2) C12.2 28.1,29.822 28.249,29.97 29.02,29.97 B3.5 ; J4.2@29.475,6.875 J4.2 J4.4 28.863,7.388 30.088,7.388 v1(30.1,7.4) C5.2 C6.2 32.9,11.3 51.4,29.8 X1.2 ; J4.74@29.475,24.875 J4.74 J4.72 J4.70 28.862,23.887 30.087,23.887 v1(30.1,23.9) C7.2 C8.2
  Bottom Layer w0.254: v1(12.9,15.4) v1(12.9,21.7) 12.9,23.2 14.9,25.2 v1(16.1,25.2) 22.45,25.2 23.75,23.9 v1(30.1,23.9) ; v1(21.2,28.1) 22.1,27.2 v1(28.1,27.2) 30.1,25.2 v1(30.1,23.9) ; v1(30.1,7.4) v1(30.1,23.9)
3V3OUT: B1.16 C4.2 | length 1.5
  Top Layer w0.127: B1.16 B1.16@14.4,23.175
  Top Layer w0.254: C4.2 14.1,23.475 B1.16@14.4,23.175
5V: C1.2 C10.2 D1.5 FB1.1 J1.A4-B9 J1.B4-A9 J3.1 J6.2 U1.1 U1.3 | length 74.2
  Top Layer w0.254: v1(4.457,9.2) 4.457,8.255 J3.1 ; v1(5.6,20.142) 5.6,22.677 5.9,22.977 v1(5.9,23) 6.645,23 7.045,23.4 J1.A4-B9 ; J1.B4-A9 v1(9.821,18.6) ; C10.2 8.925,29.725 U1.3 10.303,28.897 11.1,28.1 v1(11.6,28.1) 12.203,28.703 U1.1 ; v1(9.5,23.697) 10.297,23.697 C1.2 10.3,21.972 FB1.1 ; FB1.1@10.6,21.872 FB1.1@10.7,21.772 ; D1.5 v1(11.6,25.2) ; J6.2 38.7,27.548 v1(38.7,28)
  Bottom Layer w0.254: v1(4.457,9.2) 4.457,18.999 v1(5.6,20.142) 7.142,18.6 v1(9.821,18.6) ; v1(5.9,23) 8.7,23 9.274,23.574 9.31,23.574 10.936,25.2 v1(11.6,25.2) ; v1@11.6,25.25 v1(11.6,28.1) 14.8,31.3 35.4,31.3 v1(38.7,28)
\R\S\T\: J2.01 J3.4 J4.67 R3.2 SW1.A1 | length 43.3
  Top Layer w0.127: J3.4 7.787,10.299 v1(9.499,10.299) ; J2.01 16.929,2.754 v1(16.929,3.671) 17.298,3.671 20.223,6.596 20.223,9.6 21.223,10.6 22.626,10.6 23.4,11.374 23.4,22.7 22.975,23.125 J4.67 19.575,23.125 18.886,23.814 18.886,23.964 R3.2 18.886,24.436 18.886,24.586 19.15,24.85 SW1.A1
  Bottom Layer w0.127: v1(9.499,10.299) 16.127,3.671 v1(16.929,3.671)
D+: D1.1 J1.A6 J1.B6 | length 9.8
  Top Layer w0.127: J1.B6 7.519,20.321 6.921,20.321 6.752,20.491 6.752,21.009 6.921,21.179 7.078,21.179 7.15,21.25 J1.A6 7.644,21.196 8.776,21.196 9.108,21.529 9.108,21.939 9.108,21.992 ; 9.108,21.992 8.951,22.156 ccw(c8.54,21.764) 8.886,22.214 8.5,22.6 8.5,25.5 8.7,25.7 D1.1
D-: D1.3 J1.A7 J1.B7 | length 8.6
  Top Layer w0.127: J1.A7 7.651,20.689 v1@8.603,20.689 ; J1.B7 7.597,21.757 8.534,21.757 v1(8.54,21.764) ; v1(8.614,20.629) 8.614,20.7 9,20.7 9.489,21.189 9.489,22.375 8.932,22.931 8.932,23.932 9.628,24.629 9.757,24.629 9.828,24.7 D1.3 ; D1.3@9.828,24.729 D1.3@9.85,24.75
  Bottom Layer w0.127: v1(8.54,21.764) 8.577,21.727 8.577,20.666 v1(8.614,20.629)
GND: B1.4 B1.17 B1.20 B1.24 B1.26 B1.33 B2.2 B3.2 C1.1 C2.1 C3.1 C4.1 C5.1 C6.1 C7.1 C8.1 C9.1 C10.1 C11.1 C12.1 D1.2 J1.1 J1.2 J1.3 J1.4 J1.A1-B12 J1.B1-A12 J2.05 J2.11 J3.8 J4.3 J4.5 J4.11 J4.27 J4.33 J4.39 J4.45 J4.51 J4.57 J4.71 J4.73 J4.76 J4.77 J5.2 J5.3 J6.1 R1.1 R2.1 SW1.B1 SW1.B2 SW1.G1 SW1.G2 TP1.2 TP2.2 U1.2 | length 25.5
  Top Layer w0.127: B1.24 14.4,18.7 B1.33@14.9,19.2 ; B1.17 14.4,22.2 B1.33@15.9,20.7
  Top Layer w0.254: J1.1 7.015,24.522 7.164,24.373 7.492,24.373 J1.A1-B12 ; J1.2@7.187,16.68 7.59,17.083 J1.B1-A12@7.59,17.8 ; v1(9.169,25.132) 9.235,25.132 9.295,25.192 9.702,25.192 9.71,25.2 D1.2 ; C3.1@12.1,20.8 12.1,22.525 11.5,23.125 C1.1 v1(12.2,23.7) 12.247,23.747 12.422,23.747 12.9,24.225 C4.1 ; v1(12.745,26.155) 13.695,26.155 C9.1 13.75,26.2 SW1.B1 ; B1.20 B1.33@15.9,20.7 ; B1.26 B1.33@14.9,19.2 ; B1.33@16.4,20.2 B1.4 18.623,20.223 19.16,20.223 19.7,20.763 v1(19.7,20.8) ; v1(25,29.3) 25.7,30 B3.2 ; v1(26.2,28.1) C12.1
  other v1: 21.3,9.7 22.7,13.1 16.9,14.1 9.5,14.3 22.7,14.6 22.7,16.1 22.7,17.6 22.7,19.2 22.7,20.6 31.5,26.6 32.9,26.6 34.3,26.6 9.1,26.8
JST_RXD: B2.1 J6.4 | length 19.5
  Top Layer w0.127: v1(20.4,30.669) 21.331,30.669 B2.1 ; J6.4 v1(36.7,28)
  Bottom Layer w0.127: v1(20.4,30.669) 21.069,30 34.7,30 v1(36.7,28)
JST_TXD: B3.1 J6.3 | length 14.6
  Top Layer w0.127: v1(26.2,30.633) 27.132,30.633 B3.1 ; J6.3 v1(37.7,28)
  Bottom Layer w0.127: v1(26.2,30.633) 35.067,30.633 v1(37.7,28)
NetB1_19: B1.19 C2.2 C3.2 FB1.2 | length 5.7
  Top Layer w0.127: FB1.2 10.827,19.5 C3.2@12.05,19.5 ; C2.2 C3.2@12.05,19.5 ; C3.2 C3.2@12.05,19.5 ; B1.19 13.659,21.159 13.159,21.159 12.826,20.826 12.826,20.126 12.512,19.812 12.361,19.812 C3.2@12.05,19.5
NetJ1_A5: J1.A5 R2.2 | length 8.8
  Top Layer w0.127: v1(4.8,22.3) 4.8,25.4 6.2,26.8 R2.2 ; v1(6.533,22.266) 6.541,22.258 7.582,22.258 J1.A5
  Bottom Layer w0.127: v1(4.8,22.3) 4.817,22.283 6.516,22.283 v1(6.533,22.266)
NetJ1_B5: J1.B5 R1.2 | length 1.4
  Top Layer w0.127: J1.B5 R1.2
NetR7_2: R7.2 TP2.1 | length 1.2
  Top Layer w0.127: R7.2 TP2.1
NetR8_2: R8.2 TP1.1 | length 1.2
  Top Layer w0.127: R8.2@22.86,1.5 TP1.1@24.01,1.5
PPS_OUT1: J2.10 J3.6 J4.46 J5.1 J6.5 R8.1 | length 65.2
  Top Layer w0.127: J3.6 7.788,12.3 9.4,12.3 10.4,11.3 v1(11.3,11.3) 11.3,10.395 J2.10 ; v1(20.1,1.5) R8.1 21.64,1.5 21.64,1.309 22.313,0.637 29.612,0.637 31.375,2.4 J5.1@31.4,2.4 ; v1(27.694,17.895) 27.704,17.885 28.84,17.885 J4.46 30.4,17.875 35.7,23.175 J6.5
  Bottom Layer w0.127: v1(11.3,11.3) 13.7,11.3 16.9,8.1 16.9,5.3 20.1,2.1 ; v1(20.1,1.5) 20.1,2.1 ; v1(27.694,17.895) 26.5,16.701 26.5,8.5 20.1,2.1
PPS_OUT2: J3.7 J4.20 R7.1 | length 44
  Top Layer w0.127: J3.7 3.85,14.25 2.2,12.6 2.2,7.6 3.04,6.76 4.241,6.76 9.9,1.1 18.3,1.1 20,2.8 21.4,2.8 22.2,3.6 24.1,3.6 25.312,4.812 25.312,9.012 27.675,11.375 J4.20
RXD: B2.4 J2.08 J3.5 J4.62 | length 48.6
  Top Layer w0.127: J3.5 5.074,12.25 6.024,11.3 v1(6.1,11.3) ; J2.08 11.875,5.29 13.785,7.2 v1(13.8,7.2) ; B2.4 24.05,29.35 24.5,28.9 24.5,23.7 v1(25,23.2) 25,22.4 25.584,21.816 28.791,21.816 J4.62
  Bottom Layer w0.127: v1(6.1,11.3) 9.7,11.3 ; v1(13.8,7.2) 9.7,11.3 ; v1(25,23.2) 22.9,23.2 22.826,23.126 20.101,20.399 18.531,18.828 v1(18.531,16.5) 14.9,16.5 9.7,11.3
SEL: B2.6 B3.6 X1.1 | length 22.1
  Top Layer w0.127: B2.6 23.65,30.65 24.2,31.2 28.1,31.2 28.633,30.667 B3.6@29.052,30.667 ; B3.6@29.052,30.65 30.818,30.65 32.168,29.3 42.5,29.3 43,29.8 X1.1
TXD: B3.4 J2.09 J3.3 J4.64 | length 46.5
  Top Layer w0.127: J3.3 5.074,10.25 6.1,9.224 6.1,7.5 6.6,7 9.845,7 10.675,7.83 J2.09 11.875,7.83 13.045,9 v1(18.9,9) ; v1(26.1,22.4) 26.9,22.4 ; J4.64 28.825,22.4 26.9,22.4 ; B3.4 29.1,29.3 29.1,26.708 27.6,25.208 27.6,23.1 26.9,22.4
  Bottom Layer w0.127: v1(18.9,9) 19.001,9 19.001,9.101 19.4,9.5 19.4,18.8 23,22.4 v1(26.1,22.4)
UART_RX: B1.30 B2.3 | length 15.2
  Top Layer w0.127: v1(16.9,17.1) B1.30 ; v1(19.909,24.457) 19.909,27.26 20.5,27.851 20.5,28.9 20.95,29.35 B2.3
  Bottom Layer w0.127: v1(16.9,17.1) 16.9,21.448 v1(19.909,24.457)
UART_TX: B1.2 B3.3 | length 20.5
  Top Layer w0.127: B1.2 19.4,19.2 20,18.6 v1(20,18.2) ; v1(26.7,23.2) 25.378,24.522 25.378,28.778 25.934,29.334 27.134,29.334 B3.3
  Bottom Layer w0.127: v1(20,18.2) 24.294,18.2 26.7,20.606 v1(26.7,23.2)
USB_DM: B1.15 D1.4 | length 6.1
  Top Layer w0.127: D1.4 10.967,24.633 11.933,24.633 12.314,25.014 14.584,25.014 14.9,24.698 B1.15
USB_DP: B1.14 D1.6 | length 7
  Top Layer w0.127: D1.6 10.979,25.721 11.03,25.772 11.207,25.772 11.235,25.8 12.003,25.8 12.403,25.4 15,25.4 15.4,25 B1.14
pads on no net: B1.3 B1.5 B1.6 B1.7 B1.8 B1.9 B1.10 B1.11 B1.12 B1.13 B1.21 B1.22 B1.23 B1.25 B1.27 B1.28 B1.29 B1.31 B1.32 J1.A8 J1.B8 J1.MH1 J1.MH2 J2.02 J2.03 J2.04 J2.07 J4.1 J4.6 J4.7 J4.8 J4.9 J4.10 J4.21 J4.22 J4.23 J4.24 J4.25 J4.26 J4.28 J4.29 J4.30 J4.31 J4.32 J4.34 J4.35 J4.36 J4.37 J4.38 J4.40 J4.41 J4.42 J4.43 J4.44 J4.47 J4.48 J4.49 J4.50 J4.52 J4.53 J4.54 J4.55 J4.56 J4.58 J4.59 J4.60 J4.61 J4.63 J4.65 J4.66 J4.68 J4.69 J4.75 J4.MH1 J4.MH2 J6.6 J6.7 MP1.1 SW1.A2 U1.4
copper on no net:
  other v2: 3.8,2.9 64.3,2.9 3.8,28.8 64.3,28.8

## Polygon pours and split planes (outlines as drawn)
no net on Bottom QR Code (none): 38.2,13.9 42.2,13.9 42.2,17.9 38.2,17.9
GND on Top Layer "BOTTOM_GND" (solid, remove dead copper, pour order 0): 0.5,0.5 69.5,0.5 69.5,31.15 0.5,31.15
GND on Bottom Layer "BOTTOM_GND" (solid, remove dead copper, pour order 1): 0.5,0.5 69.5,0.5 69.5,31.15 0.5,31.15

## Silkscreen, mask and mechanical layers (free items; w line width, h text height)
Top Overlay:
  text "Select J6 UART" at 44.828,27.213 h1.2
  text "USB to  / RCB  / M.2 / PMOD" at 46,11.816 h1
  text "PPS" at 34.9,1.8 h1
Bottom Overlay:
  text "C" at 1.805,23.408 h2 r90
  text "r" at 2.513,21.833 h2 r90
  text "W" at 2.123,19.87 h2 r90
  text "REV. 1.1" at 1.8,12.741 h1 r90
Dimensions:
  lines w0.254: 69.971,7.847 69.971,23.704 ; 69.98,7.838 69.98,0 0,0 0,31.75 69.98,31.75 ; 69.98,23.713 69.98,31.748
Fab Notes:
  lines w0.1: 0.05,42.758 5.365,42.758 15.642,42.758 23.735,42.758 31.321,42.758 38.343,42.758 ; 0.05,45.298 5.365,45.298 15.642,45.298 23.735,45.298 31.321,45.298 38.343,45.298 ; 0.05,47.838 5.365,47.838 15.642,47.838 23.735,47.838 31.321,47.838 38.343,47.838 ; 0.05,50.378 5.365,50.378 15.642,50.378 23.735,50.378 31.321,50.378 38.343,50.378 ; 0.05,52.918 5.365,52.918 15.642,52.918 23.735,52.918 31.321,52.918 38.343,52.918 ; 0.05,55.458 5.365,55.458 15.642,55.458 23.735,55.458 31.321,55.458 38.343,55.458 ; 0.05,57.998 38.343,57.998 ; 5.365,60.538 5.365,40.218 ; 15.642,60.538 15.642,40.218 ; 23.735,60.538 23.735,40.218 ; 31.321,60.538 31.321,40.218 ; 0,-4.8 0,-3.4 28.8,-3.4 28.8,-4.8 ; 0,-4.8 28.8,-4.8 ; 0,-4.8 0,-11.7 28.8,-11.7 28.8,-4.8 ; 5.365,40.218 0.05,40.218 0.05,60.538 38.343,60.538 38.343,40.218 31.321,40.218 ; 5.365,40.218 15.642,40.218 ; 15.642,40.218 23.735,40.218 ; 23.735,40.218 31.321,40.218
  text "Layer" at 1.32,58.633 h1.27
  text "Name" at 6.635,58.633 h1.27
  text "Material" at 16.912,58.633 h1.27
  text "Thickness" at 25.005,58.633 h1.27
  text "Constant" at 32.591,58.633 h1.27
  text "Top Overlay" at 6.635,56.093 h1.27
  text "Top Solder" at 6.635,53.553 h1.27
  text "matt black" at 16.913,53.553 h1.27
  text "0.025mm" at 25.005,53.553 h1.27
  text "4" at 32.591,53.553 h1.27
  text "1" at 1.32,51.013 h1.27
  text "Top Layer" at 6.635,51.013 h1.27
  text "copper 1oz" at 16.912,51.013 h1.27
  text "0.035mm" at 25.005,51.013 h1.27
  text "Dielectric" at 6.635,48.473 h1.27
  text "FR-4" at 16.912,48.473 h1.27
  text "1.459mm" at 25.005,48.473 h1.27
  text "4.2" at 32.591,48.473 h1.27
  text "2" at 1.319,45.933 h1.27
  text "Bottom Layer" at 6.635,45.933 h1.27
  text "copper 1oz" at 16.912,45.933 h1.27
  text "0.035mm" at 25.005,45.933 h1.27
  text "Bottom Solder" at 6.635,43.393 h1.27
  text "matt black" at 16.913,43.393 h1.27
  text "0.025mm" at 25.005,43.393 h1.27
  text "4" at 32.591,43.393 h1.27
  text "Bottom Overlay" at 6.635,40.853 h1.27
  text "Total board thickness:" at 1.32,38.313 h1.27
  text "1.580mm" at 25.005,38.313 h1.27
  text "Fab Notes" at 0.2,-4.5 h1.27
  text "PCB Color/Soldermask: matt black / Silkscreen: white / Surface Finish: ENIG 1u" at 0.3,-10.2 h1.27
Bottom QR Code:
  text "QR Code" at 38.375,15.659 h1

## Dimensions
0,31.75 to 70,32 on Dimensions
69.98,0 to 69.98,31.748 on Dimensions

## Text inside footprints (layer, text, board x,y; h text height)
TP1: Top Assembly "K" at 25.968,1.341 h0.5
TP2: Top Assembly "K" at 25.968,2.741 h0.5